# Altium PCB ASR-2DF.PcbDoc
Units mil, origin at the board's own origin, x right, y up, seen from the top; angles counter-clockwise.
Board outline 1850 x 1000 mil, 4 copper layers (Top Layer, Signal Layer 1, Signal Layer 2, Bottom Layer), stack 32.6 mil thick; 74 components, 54 nets, 265 pads, 131 vias.
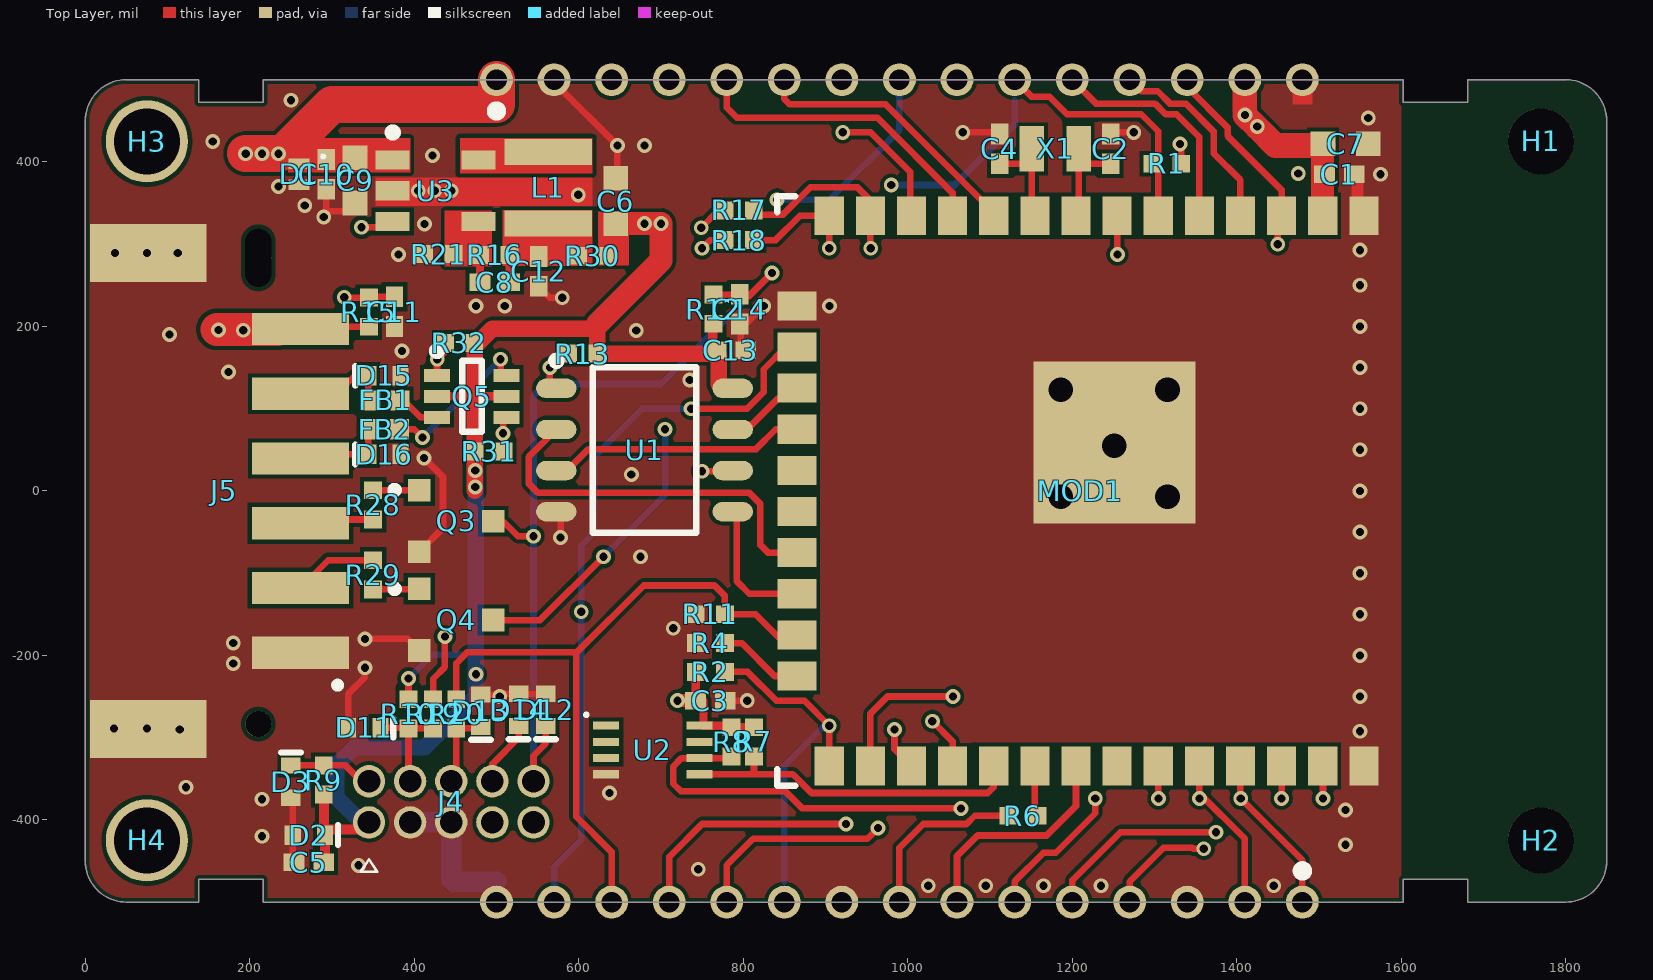
[diagram p0: Top Layer view]
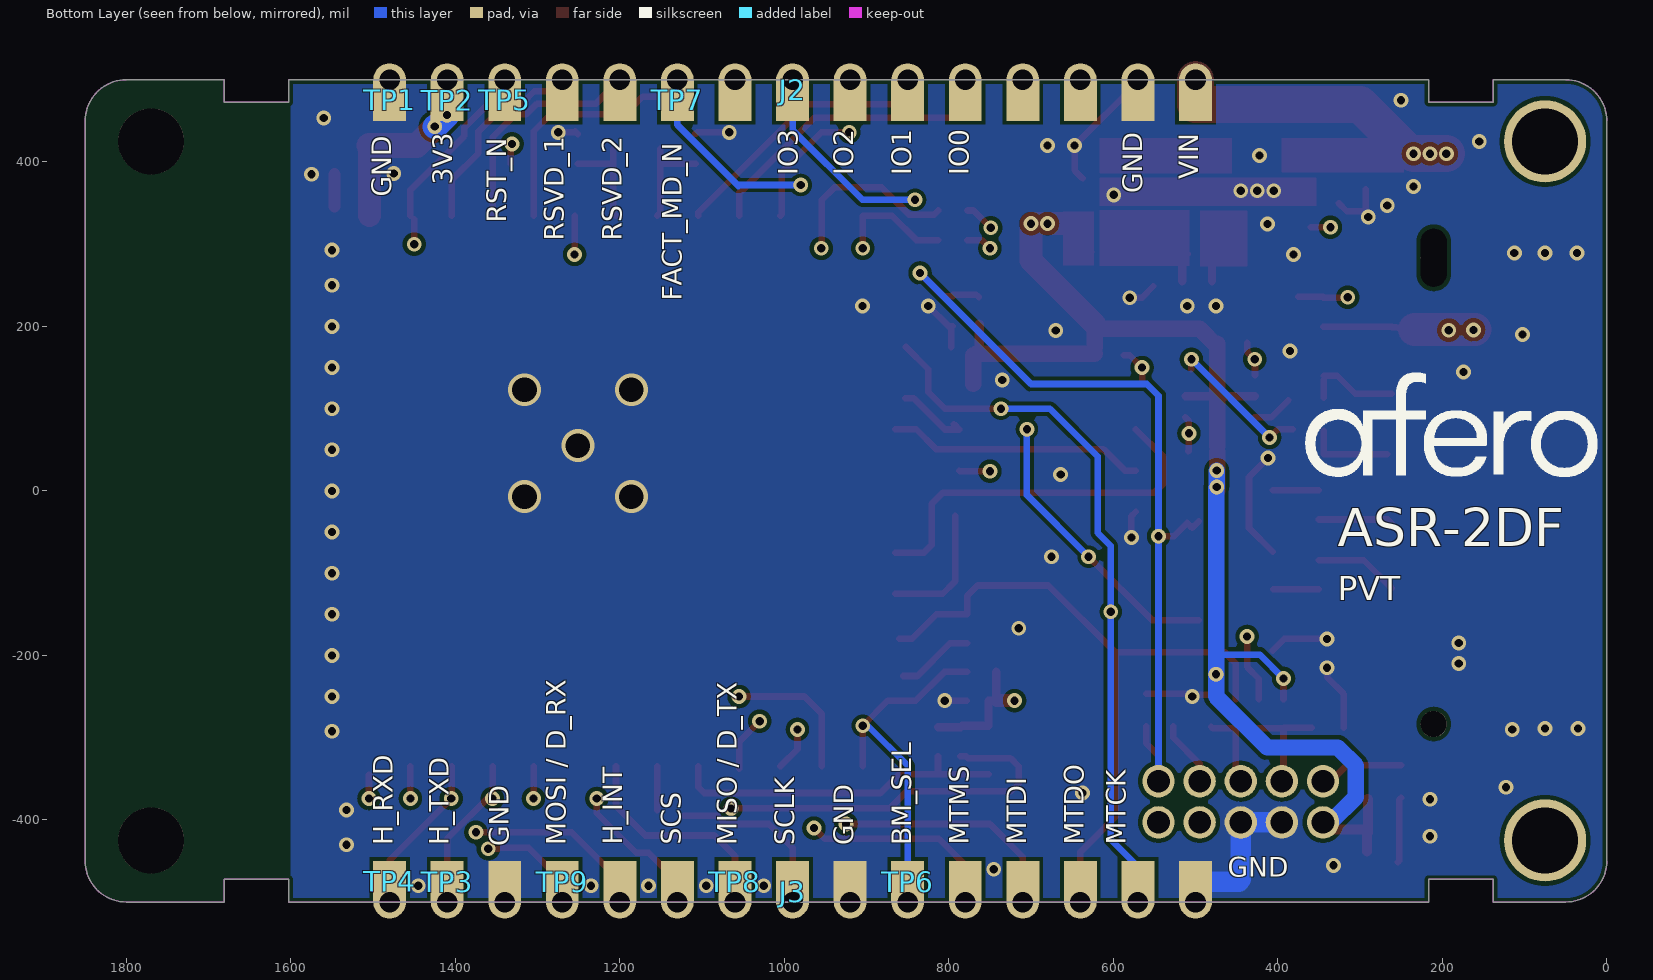
[diagram p1: Bottom Layer view, seen from below]
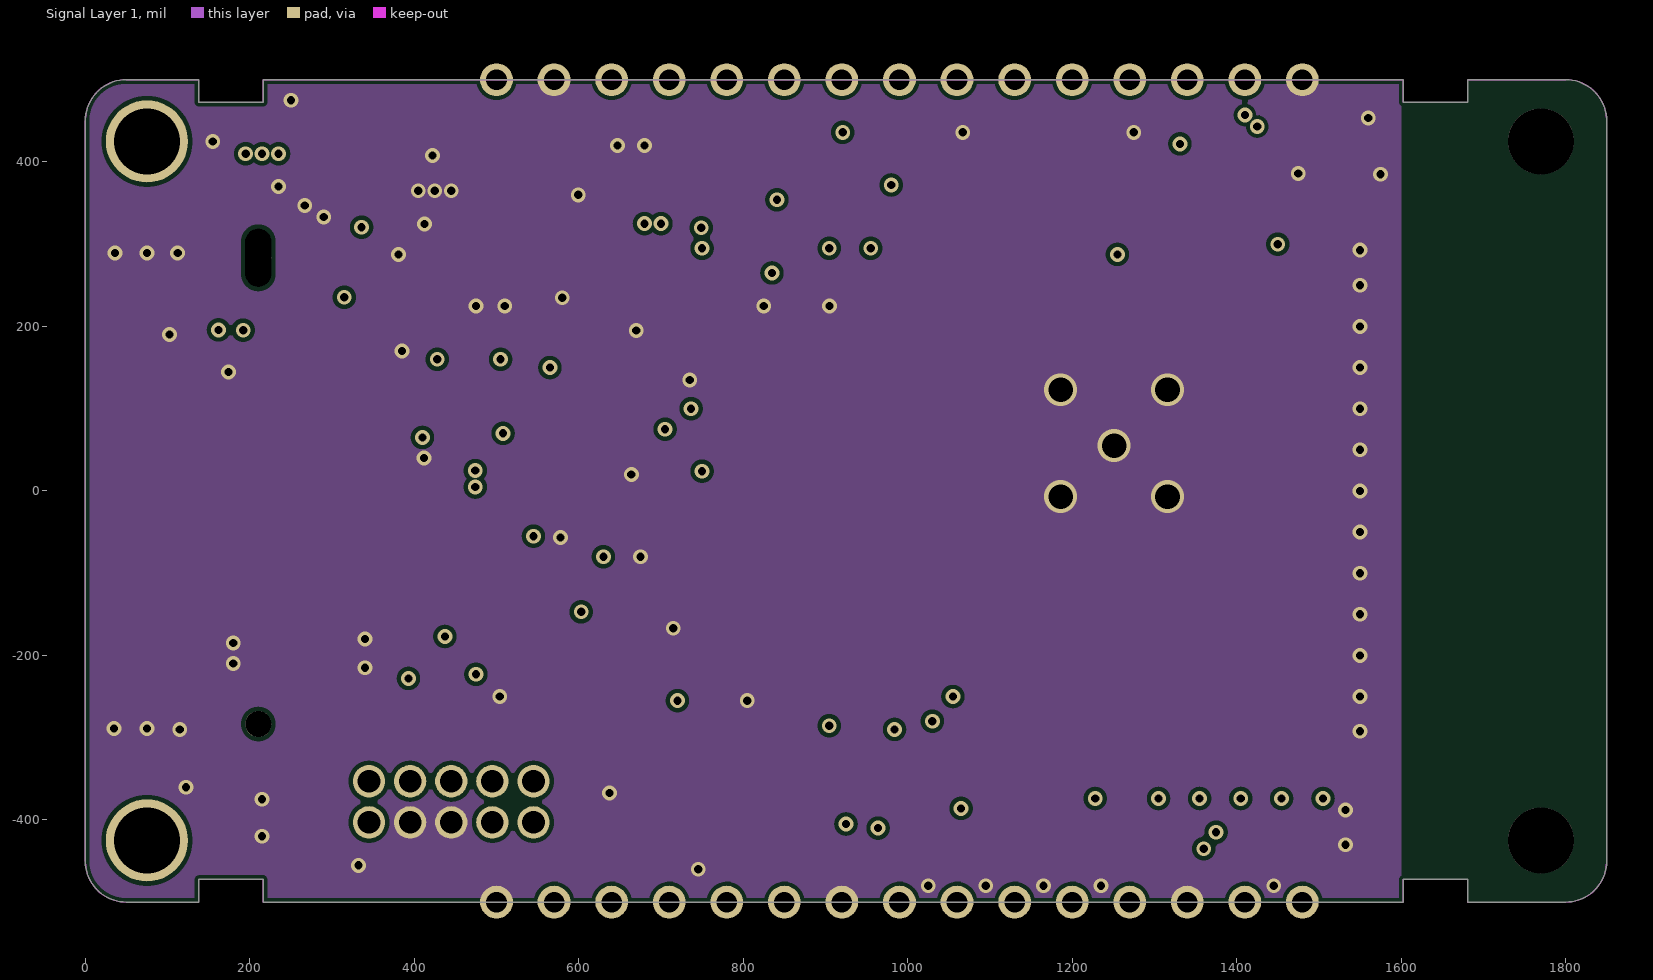
[diagram p2: Signal Layer 1]
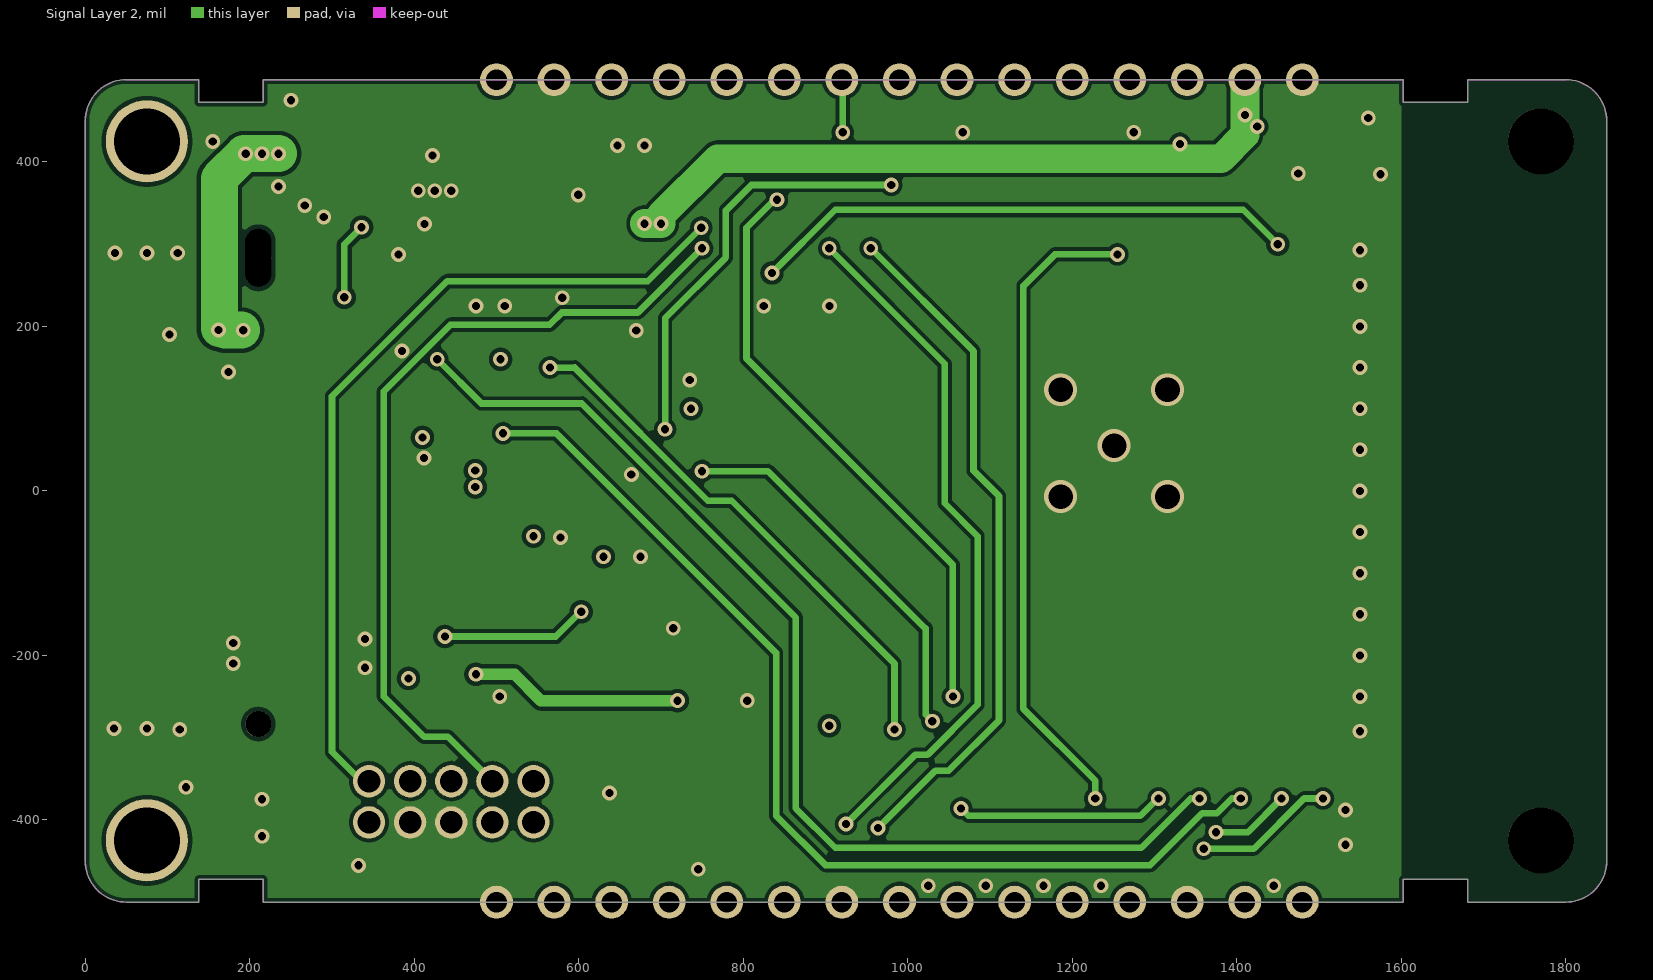
[diagram p3: Signal Layer 2]
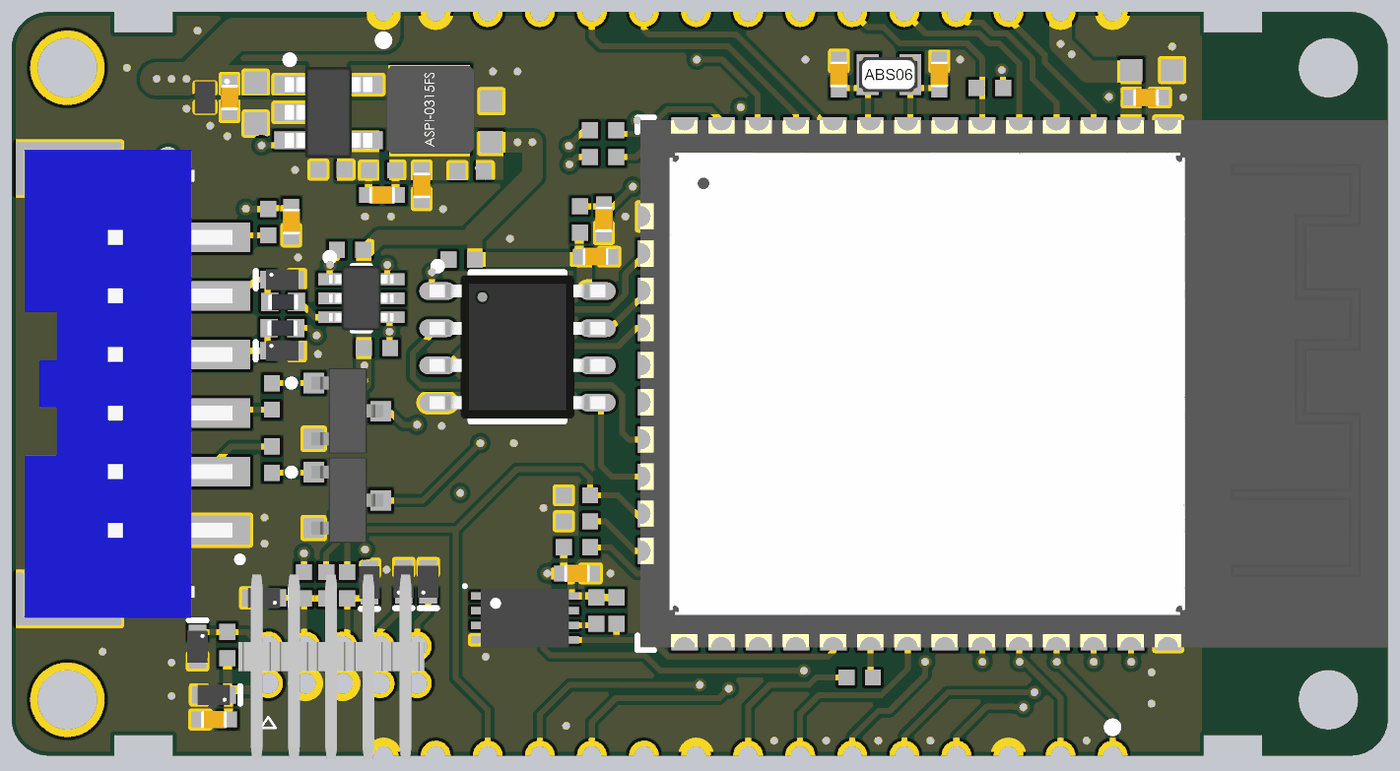
[diagram p4: 3D render of the assembled board from above, using the file's embedded part models]

## Layer stack, top to bottom
Top Solder: solder mask 0.4, Solder Resist, Dk 3.5
Top Layer: signal copper 1.4
Dielectric 1: prepreg 6.7, FR408, Dk 3.67
Signal Layer 1: signal copper 0.7
Dielectric 3: core 15, FR408, Dk 3.67
Signal Layer 2: signal copper 0.7
Dielectric 2: prepreg 6.7, FR408, Dk 3.67
Bottom Layer: signal copper 1.4
Bottom Solder: solder mask 0.4, Solder Resist, Dk 3.5

## Board outline
1602.36,-500 1602.36,-472.44 1681.1,-472.44 1681.1,-500 1800,-500 ccw(c1800,-450) 1850,-450 1850,450 ccw(c1800,450) 1800,500 1681.1,500 1681.1,472.44 1602.36,472.44 1602.36,500 216.54,500 216.54,472.44 137.8,472.44 137.8,500 50,500 ccw(c50,450) 0,450 0,-450 ccw(c50,-450) 50,-500 137.8,-500 137.8,-472.44 216.54,-472.44 216.54,-500

## Design rules (kind name [scope] priority, off if disabled: settings)
Clearance [(Name <> 'H1-H') and (Name <> 'H2-H') vs (Name <> 'H1-H') and (Name <> 'H2-H')] p1: gap=5 ignorepadtopadclearanceinfootprint=FALSE
ComponentClearance [All] p1: gap=2 collisioncheckmode=3 verticalgap=0 showdistances=FALSE
DiffPairsRouting [All] p1 off: maxlimit=10 minlimit=5 mostfreqgap=5 toplayer_minwidth=8 toplayer_maxwidth=15 toplayer_prefwidth=8 midlayer1_minwidth=8 midlayer1_maxwidth=15 midlayer1_prefwidth=8 midlayer2_minwidth=8 midlayer2_maxwidth=15 midlayer2_prefwidth=8 bottomlayer_minwidth=8 bottomlayer_maxwidth=15 bottomlayer_prefwidth=8 maxuncoupledlength=500
MinimumSolderMaskSliver [All] p1 off: minsoldermaskwidth=10
PlaneConnect [All] p1: planeconnectstyle=Direct reliefexpansion=20 reliefentries=4 reliefconductorwidth=10 reliefairgap=10
PolygonConnect antenna-gnd-connect [IsVia vs IsPolygon] p1: connectstyle=Direct reliefconductorwidth=10 reliefentries=4 polygonreliefangle="90 Angle" airgapwidth=10
PolygonConnect PolygonConnect_1 [All] p2: connectstyle=Direct reliefconductorwidth=10 reliefentries=4 polygonreliefangle="90 Angle" airgapwidth=10
RoutingPriority "3V3 Routing" [InNet('3V3')] p1: routingpriority=89
RoutingPriority "GND Routing" [InNet('GND')] p2: routingpriority=90
RoutingVias [All] p1: holewidth=10 width=18 viastyle="Through Hole" minholewidth=10 minwidth=18 maxholewidth=30 maxwidth=40
SilkToSilkClearance [All] p1 off: silktosilkclearance=10
SilkToSolderMaskClearance [IsPad] p1 off: minsilkscreentomaskgap=10 clearancetoexposedcopper=TRUE
SolderMaskExpansion [All] p1: expansion=4
Width [All] p1: maxlimit=50 minlimit=5 preferedwidth=8
23 further rules are at their usual default settings.

## Components (designator, comment, footprint, x,y, rotation, side; value= is the part's Value field where it differs from the comment)
C1 "100nF" 0402C-GENERIC 1525,385 r0 top
C2 "18pF" 0402C-GENERIC 1247,416 r90 top
C3 "100nF" 0402C-GENERIC 760,-255 r0 top
C4 "18pF" 0402C-GENERIC 1112,416 r90 top
C5 "1uF" 0402C-GENERIC 272,-451.54 r180 top value=1u
C6 "10uF" 0603C-GENERIC 645,325 r90 top value=10u
C7 "10uF" 0603C-GENERIC 1505,422 r0 top value=10u
C8 "20pF" 0402C-GENERIC 498,254 r180 top
C9 "2.2uF" 0603C-GENERIC 328,405 r270 top value=2u2
C10 "100nF" 0402C-GENERIC 293,385 r270 top
C11 "100nF" 0402C-GENERIC 376,218 r270 top
C12 "1uF" 0402C-GENERIC 551.33,266.89 r270 top value=1u
C13 "100nF" 0402C-GENERIC 785,171 r0 top
C14 "1uF" 0402C-GENERIC 796,221 r270 top value=1u
D1 "SP3118-01ETG" SOD882 260,385 r270 top
D2 "TPD1E05U06" SON70P100X45-2N 291.54,-418.43 r180 top
D3 "TPD1E05U06" SON70P100X45-2N 250,-333.82 r270 top
D11 "TPD1E05U06" SON70P100X45-2N 359,-288 r180 top
D12 "TPD1E05U06" SON70P100X45-2N 560,-286 r90 top
D13 "TPD1E05U06" SON70P100X45-2N 481,-287 r90 top
D14 "TPD1E05U06" SON70P100X45-2N 527,-286 r90 top
D15 "TPD1E05U06" SON70P100X45-2N 344,140 r0 top
D16 "TPD1E05U06" SON70P100X45-2N 344,44.37 r0 top
FB1 "FB_120ohm" BLM15 365,110 r0 top
FB2 "FB_120ohm" BLM15 364,75 r0 top
H1 "HOLE-80mil-NP" HOLE-80MIL-NP 1770,425 r0 top
H2 "HOLE-80mil-NP" HOLE-80MIL-NP 1770,-425 r0 top
H3 "HOLE-80mil-P" HOLE-80MIL-P -25,425 r0 top
H4 "HOLE-80mil-P" HOLE-80MIL-P -25,-425 r0 top
J2 "CASTLE_EDGE_X15" CASTL-1X15 500,500 r0 top
J3 "CASTLE_EDGE_X15" CASTL-1X15 1480,-500 r180 top
J4 "HDR-2x5" S9015E-05 445,-378 r0 top
J5 "BM06B-PASS-1" BM06B-PASS-1 143.5,78.75 r90 top
L1 "10uH" ASPI-0315FS 563,412 r270 top
MOD1 "ESP32-WROOM-32D" ESP32-WROOM-32D 1209.95,0 r270 top locked
Q3 "MMBT3904" SOT23 406.11,1 r0 top
Q4 "MMBT3904" SOT23 406.11,-119 r0 top
Q5 "SSM6N7002CFU" SOT363 470,115 r0 top
R1 "10k" 0402R-GENERIC 1315,397.89 r180 top
R2 "10k" 0402R-GENERIC 760,-220 r0 top
R4 "10k" 0402R-GENERIC 760,-185 r180 top
R6 "100" 0402R-GENERIC 1140,-395 r0 top
R7 "4.7k" 0402R-GENERIC 813.11,-305.16 r270 top
R8 "4.7k" 0402R-GENERIC 785.79,-305.16 r270 top
R9 "100k" 0402R-GENERIC 290,-351.54 r90 top
R10 "100k" 0402R-GENERIC 393,-271 r270 top
R11 "10k" 0402R-GENERIC 760,-150 r180 top
R12 "10k" 0402R-GENERIC 764,221 r90 top
R13 "10k" 0402R-GENERIC 605,167 r180 top
R15 "200K" 0402R-GENERIC 344.87,217.35 r90 top
R16 "680k" 0402R-GENERIC 498,287 r0 top
R17 "100" 0402R-GENERIC 795,341 r180 top
R18 "100" 0402R-GENERIC 795,305 r180 top
R19 "100" 0402R-GENERIC 423,-271 r270 top
R20 "100" 0402R-GENERIC 451,-271 r270 top
R21 "200k" 0402R-GENERIC 430,288 r0 top
R28 "10k" 0402R-GENERIC 350,-17 r90 top
R29 "10k" 0402R-GENERIC 350,-102 r270 top
R30 "0" 0402R-GENERIC 617,286 r180 top
R31 "10k" 0402R-GENERIC 491.17,48 r0 top
R32 "10k" 0402R-GENERIC 455,180 r180 top
TP1 "TP1MM" TP1MM 1480,475 r90 bottom
TP2 "TP1MM" TP1MM 1410,475 r90 bottom
TP3 "TP1MM" TP1MM 1410,-475 r90 bottom
TP4 "TP1MM" TP1MM 1480,-475 r90 bottom
TP5 "TP1MM" TP1MM 1340,475 r90 bottom
TP6 "TP1MM" TP1MM 850,-475 r90 bottom
TP7 "TP1MM" TP1MM 1130,475 r90 bottom
TP8 "TP1MM" TP1MM 1060,-475 r90 bottom
TP9 "TP1MM" TP1MM 1270,-475 r90 bottom
U1 "IPS6404L-SQ" IPUS.PSRAM 680,49.72 r0 top
U2 "ATECC508A" SON50P300X60-8N 690,-315 r0 top
U3 "XC9264B755MR" SOT95P275X130-5N 426,365 r0 top
X1 "32.768kHz" ABS06 1150.91,416 r0 top

## Footprints (in the part's own frame and the unit in brackets; to place one, negate y for a bottom-side part, rotate by r counter-clockwise, add the part's x,y. Pads: shape width x height; smd on the part's side, far side on the other; paste and mask are expansions set on the pad)
0402C-GENERIC [mm] "Chip Capacitor, 2-Leads, Body 1.00x0.50mm, IPC High Density"
  rect 0.64x0.54 smd: 1(-0.46,0) 2(0.46,0)
  body extent -0.45,-0.3 0.45,0.3, height 0.55
0402R-GENERIC [mm] "Chip Resistor, 2-Leads, Body 1.00x0.50mm, IPC Medium Density"
  rect 0.55x0.55 smd: 1(-0.45,0) 2(0.45,0)
  body extent -0.53,-0.27 0.53,0.28, height 0.4
0603C-GENERIC [mil] "CAPACITOR 0603"
  rect 30x30 smd: 1(0,0) 2(55,0)
  body extent -4,-15 59,15, height 19
ABS06 [mm]
  rect 0.75x1.4 smd: 1(0,0) 2(1.45,0)
  body extent -0.3,-0.61 1.7,0.61, height 0.61
ASPI-0315FS [mm] "LOW PROFILE SHIELDED SMD CHIP POWER INDUCTOR"
  rect 0.8x2.7 smd: 1(0,0) 2(2.2,0)
  body extent -0.4,-1.5 2.6,1.5, height 1.51
BLM15 [mm] "Chip Inductor"
  rect 0.59x0.62 smd: 1(-0.455,0) 2(0.455,0)
  body extent -0.53,-0.28 0.53,0.28, height 0.55
BM06B-PASS-1 [mm] "JST PA-Family Vertical Header 2mm"
  rect 1x3 smd: 1(-7,-3) 2(-5,-3) 3(-3,-3) 4(-1,-3) 5(1,-3) 6(3,-3)
  rect 1.8x3.6 smd: 7(-9.35,1.7) 8(5.35,1.7)
  round 0.8 hole 0.8 unplated paste+0 mask+0: 9(-9.2,-1.7)
  round 0.8 hole 0.8 slot 1.8 at 0 deg unplated paste+0 mask+0: 10(5.2,-1.7)
  silkscreen extent -8.1,-4.25 -7.9,-4.05, body extent -10,-3.9 6,3.2, height 9
CASTL-1X15 [mil]
  rect 40x50 smd far side paste-100: 1(0,-25) 2(70,-25) 3(140,-25) 4(210,-25) 5(280,-25) 6(350,-25) 7(420,-25) 8(490,-25) 9(560,-25) 10(630,-25) 11(700,-25) 12(770,-25) 13(840,-25) 14(910,-25) 15(980,-25)
  round 40 hole 25: 1(0,0) 2(70,0) 3(140,0) 4(210,0) 5(280,0) 6(350,0) 7(420,0) 8(490,0) 9(560,0) 10(630,0) 11(700,0) 12(770,0) 13(840,0) 14(910,0) 15(980,0)
  silkscreen extent -6,-44 6,-32
ESP32-WROOM-32D [mm]
  rect 1.2x0.9 smd: 1(-8.5,8.755) 2(-8.5,7.485) 3(-8.5,6.215) 4(-8.5,4.945) 5(-8.5,3.675) 6(-8.5,2.405) 7(-8.5,1.135) 8(-8.5,-0.135) 9(-8.5,-1.405) 10(-8.5,-2.675) 11(-8.5,-3.945) 12(-8.5,-5.215) 13(-8.5,-6.485) 14(-8.5,-7.755) 25(8.5,-7.755) 26(8.5,-6.485) 27(8.5,-5.215) 28(8.5,-3.945) 29(8.5,-2.675) 30(8.5,-1.405) 31(8.5,-0.135) 32(8.5,1.135) 33(8.5,2.405) 34(8.5,3.675) 35(8.5,4.945) 36(8.5,6.215) 37(8.5,7.485) 38(8.5,8.755)
  rect 0.9x1.2 smd: 15(-5.715,-8.755) 16(-4.445,-8.755) 17(-3.175,-8.755) 18(-1.905,-8.755) 19(-0.635,-8.755) 20(0.635,-8.755) 21(1.905,-8.755) 22(3.175,-8.755) 23(4.445,-8.755) 24(5.715,-8.755)
  rect 5x5 smd: 39(-1.5,1.055)
  silkscreen extent -9.1,-9.37 9.1,-8.8, body extent -9,-9.27 9,16.23, height 3.26
HOLE-80MIL-NP [mil] "80mil Hole not Plated with 100mil keepout"
  round 80 hole 80 unplated paste-39.37 mask-39.37: H(0,0)
HOLE-80MIL-P [mil] "80mil Hole Plated"
  round 100 hole 80 paste+0: H(100,0)
IPUS.PSRAM [mm] "SOP, 8-Leads, Body 4.90x3.90mm, Pitch 1.27mm, IPC Medium Density"
  oval 1.25x0.6 smd: 1(-2.725,1.905) 2(-2.725,0.635) 3(-2.725,-0.635) 4(-2.725,-1.905) 5(2.725,-1.905) 6(2.725,-0.635) 7(2.725,0.635) 8(2.725,1.905)
  silkscreen extent -2.85,-2.55 1.6,2.88, body extent -3,-2.45 3,2.45, height 1.7
S9015E-05 [mm] ".050\" Dual Row Male Header"
  round 1 hole 0.7: 1(-2.54,-0.635) 2(-2.54,0.635) 3(-1.27,-0.635) 4(-1.27,0.635) 5(0,-0.635) 6(0,0.635) 7(1.27,-0.635) 8(1.27,0.635) 9(2.54,-0.635) 10(2.54,0.635)
  silkscreen extent -2.79,-2.16 -2.29,-1.78, body extent -3.17,-1.7 3.17,1.7, height 4.01
SOD882 [mm] "SOD 2-Leads, Body 0.60x1.00mm, Pitch 0.65mm, IPC Medium Density"
  rect 0.325x0.65 smd: 1(-0.325,0) 2(0.325,0)
  silkscreen extent -0.6,0.7 -0.5,0.8, body extent -0.55,-0.35 0.55,0.35, height 0.6
SON50P300X60-8N [mm] "SON, 8-Leads, Body 2.00x3.00mm, Pitch 0.50mm, IPC Medium Density"
  rect 0.8x0.25 smd: 1(-1.44,0.75) 2(-1.44,0.25) 3(-1.44,-0.25) 4(-1.44,-0.75) 5(1.44,-0.75) 6(1.44,-0.25) 7(1.44,0.25) 8(1.44,0.75)
  silkscreen extent -2.1,1.04 -2,1.14, body extent -1.5,-1 1.5,1, height 0.6
SON70P100X45-2N [mm] "SON, 2-Leads, Body 0.60x1.00mm, Pitch 0.70mm, IPC Medium Density"
  rect 0.5x0.6 smd: 1(0,0) 2(1,0)
  silkscreen extent -0.4,-0.3 -0.4,0.3, body extent -0.05,-0.35 1.05,0.35, height 0.45
SOT23 [mm] "SOT23"
  rect 0.7x0.7 smd: 1(0,0) 2(0,-1.905) 3(2.286,-0.965)
  silkscreen extent -0.86,-0.1 -0.66,0.1, body extent -0.09,-2.41 2.39,0.51, height 1.03
SOT95P275X130-5N [mm] "SOT23, 5-Leads, Body 2.90x2.75mm, Pitch 0.95mm, IPC Medium Density"
  rect 1.05x0.6 smd: 1(-1.325,0.95) 2(-1.325,0) 3(-1.325,-0.95) 4(1.325,-0.95) 5(1.325,0.95)
  silkscreen extent -1.45,1.68 -1.2,1.92, body extent -1.5,-1.55 1.5,1.55, height 1.3
SOT363 [mm] "SOT363, 6-Leads, Body 2.00x2.10mm, Pitch 0.65mm, IPC Medium Density"
  rect 0.8x0.4 smd: 1(-1.075,0.65) 2(-1.075,0) 3(-1.075,-0.65) 4(1.075,-0.65) 5(1.075,0) 6(1.075,0.65)
  silkscreen extent -1.2,-1.1 0.3,1.52, body extent -1.1,-1.1 1.1,1.1, height 1
TP1MM [mm] "1mm test point"
  rect 1x1 smd paste-1: 1(0,0)
